# KiCad board 32-channel_current_source.kicad_pcb (continued)
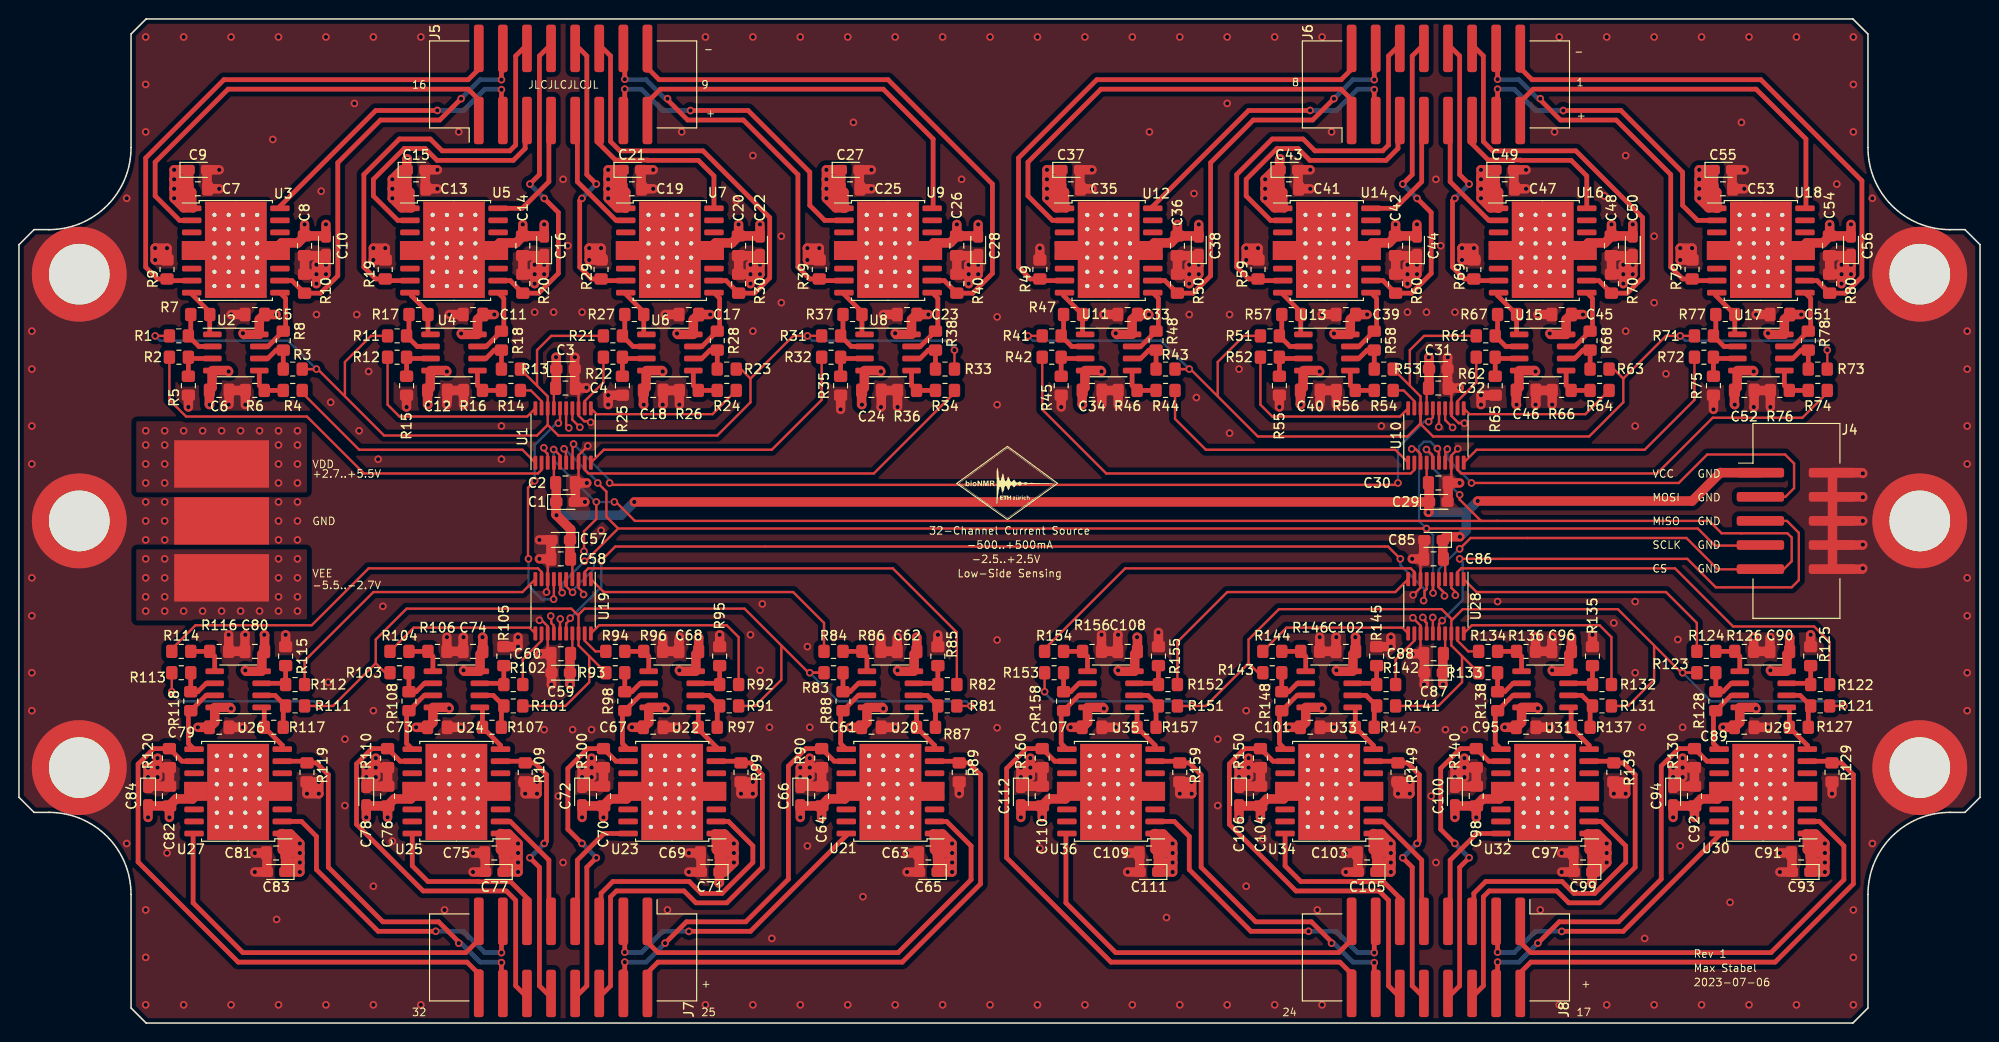
[diagram p0: board, top side]
## Routing (per net, layer and track width the routed paths; a pad name or vN(x,y) marks a point on that pad's centre or on a via; arc(x,y) is an arc through that point) (continued)
/8-channel_current_source2/VREF: length 132.8
  Front w0.25: R111.1 v1(31.61,33.42) 33.11,33.42 37.61,37.92 ; 37.61,37.92 38.61,36.92 R103.1 ; 37.61,37.92 37.61,40.42 40.86,43.67 58.23,43.67 58.98,42.92 ; 83.23,36.92 76.48,43.67 59.61,43.67 58.98,43.04 U19.18 58.98,39.79 R93.1 ; 83.23,36.92 R83.1 v1(83.36,36.92) 83.23,36.92 ; R101.1 57.61,33.42 60.11,35.92 60.11,38.67 ; v1(100.36,33.42) R81.1 ; v1(16.11,34.92) R113.1 ; R91.1 77.61,33.42 80.36,36.17 80.36,39.77
  Back w0.25: v1(31.61,33.42) 31.11,33.92 16.98,33.92 16.11,34.79 v1(16.11,34.92) ; v1(100.36,33.42) 99.86,33.92 86.36,33.92 v1(83.36,36.92)
/8-channel_current_source3/I_{OUT0+}: length 46.4
  Front w0.5: U30.2 189.78,21.24 192.36,18.67 192.36,15.11 184.67,7.42 159.36,7.42 158.11,8.67
/8-channel_current_source3/I_{OUT0-}: length 55.9
  Front w0.5: 158.11,5.17 159.36,6.42 185.11,6.42 193.36,14.67 193.36,26.17 192.11,27.42 R129.1 ; U30.7 190.93,27.59
/8-channel_current_source3/I_{OUT1+}: length 31.9
  Front w0.5: U30.16 179.21,19.77 169.11,9.67 162.63,9.67 v1(162.62,9.66) ; v1(155.86,7.47) 155.86,10.67
  Back w0.5: v1(155.86,7.47) 155.91,7.42 157.61,7.42 159.86,9.67 162.61,9.67 v1(162.62,9.66)
/8-channel_current_source3/I_{OUT1-}: length 43.7
  Front w0.5: v1(155.86,6.42) 155.86,3.17 ; v1(160.11,8.42) 162.36,10.67 168.61,10.67 173.11,15.17 173.11,27.08 174.94,28.92 R130.1 177.93,27.59 U30.10 ; 155.86,5.42 155.61,5.42
  Back w0.5: v1(160.11,8.42) 158.11,6.42 v1(155.86,6.42)
/8-channel_current_source3/I_{OUT2+}: length 27.5
  Front w0.5: 153.36,11.17 153.36,13.67 154.61,14.92 162.64,14.92 163.89,13.67 166.11,13.67 169.36,16.92 169.36,18.67 166.78,21.24 U32.2
/8-channel_current_source3/I_{OUT2-}: length 44.4
  Front w0.5: R139.1 169.11,27.42 170.36,26.17 170.36,16.42 166.61,12.67 163.36,12.67 162.11,13.92 154.97,13.92 154.36,13.3 154.36,3.92 153.11,2.67 ; U32.7 167.93,27.59
/8-channel_current_source3/I_{OUT3+}: length 12.5
  Front w0.5: 150.86,11.17 150.86,17.17 153.66,19.97 U32.16
/8-channel_current_source3/I_{OUT3-}: length 33.7
  Front w0.5: 150.86,2.92 151.86,3.92 151.86,16.42 v1(152.86,17.42) ; U32.10 154.93,27.59 R140.1 151.94,28.92 149.86,26.83 149.86,20.42 v1(151.34,18.93)
  Back w0.5: v1(152.86,17.42) v1(151.34,18.93)
/8-channel_current_source3/I_{OUT4+}: length 13
  Front w0.5: 147.86,10.92 147.86,17.17 143.78,21.24 U34.2
/8-channel_current_source3/I_{OUT4-}: length 30
  Front w0.5: v1(145.86,17.42) 146.86,16.42 146.86,3.92 147.86,2.92 ; U34.7 145.18,27.59 ; R149.1 146.36,27.42 147.61,26.17 147.61,19.17 v1(147.37,18.93)
  Back w0.5: v1(145.86,17.42) v1(147.37,18.93)
/8-channel_current_source3/I_{OUT5+}: length 19.2
  Front w0.5: U34.16 133.46,16.57 135.11,14.92 140.39,14.92 140.42,14.89 143.83,14.89 145.61,13.12 145.61,10.92
/8-channel_current_source3/I_{OUT5-}: length 44
  Front w0.5: U34.10 132.18,27.59 R150.1 129.19,28.92 127.58,27.31 127.58,20.94 134.61,13.92 143.37,13.92 144.36,12.94 144.36,3.92 145.36,2.92
/8-channel_current_source3/I_{OUT6+}: length 34.1
  Front w0.5: U36.2 121.78,21.24 123.36,19.67 123.36,16.17 129.86,9.67 v1(135.94,9.67) ; v1(142.86,7.42) 142.86,10.67
  Back w0.5: v1(135.94,9.67) 138.86,9.67 141.11,7.42 v1(142.86,7.42)
/8-channel_current_source3/I_{OUT6-}: length 40.6
  Front w0.5: 119.76,27.59 122.18,27.59 ; R159.1 123.36,27.42 124.61,26.17 124.61,16.42 130.36,10.67 136.23,10.67 138.36,8.54 v1(138.36,8.42) ; v1(142.86,6.37) 142.86,3.17
  Back w0.5: 142.86,6.42 140.61,6.42 138.61,8.42 v1(138.36,8.42)
/8-channel_current_source3/I_{OUT7+}: length 40.4
  Front w0.5: 140.61,8.92 139.11,7.42 115.61,7.42 110.36,12.67 110.36,19.87 110.46,19.97
/8-channel_current_source3/I_{OUT7-}: length 58.6
  Front w0.5: 110.46,27.59 109.18,27.59 R160.1 106.19,28.92 104.11,26.83 104.11,17.42 115.11,6.42 139.23,6.42 140.23,5.42 140.61,5.42
/8-channel_current_source3/v-i_converter1/V_{INA}: length 47.8
  Front w0.25: U28.2 151.63,47.54 152.01,47.92 174.56,47.92 180.68,41.79 189.22,41.79 190.86,40.16 R122.1
/8-channel_current_source3/v-i_converter1/V_{INB}: length 29.5
  Front w0.25: U28.1 153.64,45.42 173.61,45.42 176.86,42.17 R124.1
/8-channel_current_source3/v-i_converter2/V_{INA}: length 21.5
  Front w0.25: R132.1 167.86,40.67 166.61,41.92 153.14,41.92 U28.20
/8-channel_current_source3/v-i_converter2/V_{INB}: length 3.5
  Front w0.25: U28.19 151.63,40.3 152.76,39.17 R134.1
/8-channel_current_source3/v-i_converter3/V_{INA}: length 6.2
  Front w0.25: R142.1 145.11,38.32 147.08,40.3 U28.12
/8-channel_current_source3/v-i_converter3/V_{INB}: length 16.6
  Front w0.25: U28.11 145.82,41.67 133.61,41.67 R144.1
/8-channel_current_source3/v-i_converter4/V_{INA}: length 31.6
  Front w0.25: R152.1 122.11,40.17 127.36,45.42 145.07,45.42 U28.10
/8-channel_current_source3/v-i_converter4/V_{INB}: length 43.8
  Front w0.25: U28.9 147.08,47.54 146.7,47.92 116.61,47.92 107.86,39.17
/8-channel_current_source3/VREF: length 132.6
  Front w0.25: R141.1 149.61,33.42 152.11,35.92 152.11,38.67 ; 175.23,36.92 R123.1 v1(175.36,36.92) 175.23,36.92 ; 175.23,36.92 168.53,43.62 152.18,43.62 150.98,42.42 U28.18 150.98,39.79 R133.1 ; 151.06,42.52 149.96,43.62 132.81,43.62 129.61,40.42 129.61,37.92 ; v1(108.11,34.92) R153.1 ; R143.1 130.61,36.92 129.61,37.92 ; R151.1 v1(123.61,33.42) 125.11,33.42 129.61,37.92 ; 172.36,39.77 172.36,36.17 169.61,33.42 R131.1 ; v1(192.36,33.42) R121.1
  Back w0.25: v1(192.36,33.42) 191.86,33.92 178.36,33.92 v1(175.36,36.92) ; v1(123.61,33.42) 123.11,33.92 108.98,33.92 108.11,34.79 v1(108.11,34.92)
/8-channel_current_source/I_{OUT0+}: length 46.4
  Front w0.5: 140.61,97.17 139.36,98.42 114.04,98.42 106.36,90.73 106.36,87.17 108.93,84.59 U12.2
/8-channel_current_source/I_{OUT0-}: length 55.9
  Front w0.5: U12.7 107.78,78.24 ; R49.1 106.61,78.42 105.36,79.67 105.36,91.17 113.61,99.42 139.36,99.42 140.61,100.67
/8-channel_current_source/I_{OUT1+}: length 31.9
  Front w0.5: v1(142.86,98.37) 142.86,95.17 ; U12.16 119.51,86.07 129.61,96.17 136.08,96.17 v1(136.09,96.18)
  Back w0.5: v1(142.86,98.37) 142.81,98.42 141.11,98.42 138.86,96.17 136.11,96.17 v1(136.09,96.18)
/8-channel_current_source/I_{OUT1-}: length 43.7
  Front w0.5: 142.86,100.42 143.11,100.42 ; U12.10 120.78,78.24 R50.1 123.77,76.92 125.61,78.75 125.61,90.67 130.11,95.17 136.36,95.17 v1(138.61,97.42) ; v1(142.86,99.42) 142.86,102.67
  Back w0.5: v1(138.61,97.42) 140.61,99.42 v1(142.86,99.42)
/8-channel_current_source/I_{OUT2+}: length 27.5
  Front w0.5: 145.36,94.67 145.36,92.17 144.11,90.92 136.07,90.92 134.82,92.17 132.61,92.17 129.36,88.92 129.36,87.17 131.93,84.59 U14.2
/8-channel_current_source/I_{OUT2-}: length 44.4
  Front w0.5: 145.61,103.17 144.36,101.92 144.36,92.53 143.74,91.92 136.61,91.92 135.36,93.17 132.11,93.17 128.36,89.42 128.36,79.67 129.61,78.42 R59.1 ; U14.7 130.78,78.24
/8-channel_current_source/I_{OUT3+}: length 12.5
  Front w0.5: U14.16 145.05,85.86 147.86,88.67 147.86,94.67
/8-channel_current_source/I_{OUT3-}: length 33.7
  Front w0.5: v1(145.86,88.42) 146.86,89.42 146.86,101.92 147.86,102.92 ; U14.10 143.78,78.24 R60.1 146.77,76.92 148.86,79 148.86,85.42 v1(147.37,86.91)
  Back w0.5: v1(145.86,88.42) v1(147.37,86.91)
/8-channel_current_source/I_{OUT4+}: length 13
  Front w0.5: 150.86,94.92 150.86,88.67 154.93,84.59 U16.2
/8-channel_current_source/I_{OUT4-}: length 30
  Front w0.5: U16.7 153.53,78.24 ; v1(151.34,86.91) 151.11,86.67 151.11,79.67 152.36,78.42 R69.1 ; v1(152.86,88.42) 151.86,89.42 151.86,101.92 150.86,102.92
  Back w0.5: v1(152.86,88.42) v1(151.34,86.91)
/8-channel_current_source/I_{OUT5+}: length 19.2
  Front w0.5: U16.16 165.26,89.27 163.61,90.92 158.32,90.92 158.29,90.94 154.88,90.94 153.11,92.72 153.11,94.92
/8-channel_current_source/I_{OUT5-}: length 44
  Front w0.5: 153.36,102.92 154.36,101.92 154.36,92.9 155.34,91.92 164.11,91.92 171.13,84.89 171.13,78.53 169.52,76.92 R70.1 166.53,78.24 U16.10
/8-channel_current_source/I_{OUT6+}: length 34.1
  Front w0.5: U18.2 176.93,84.59 175.36,86.17 175.36,89.67 168.86,96.17 v1(162.78,96.17) ; v1(155.86,98.42) 155.86,95.17
  Back w0.5: v1(162.78,96.17) 159.86,96.17 157.61,98.42 v1(155.86,98.42)
/8-channel_current_source/I_{OUT6-}: length 40.6
  Front w0.5: U18.7 176.53,78.24 ; R79.1 175.36,78.42 174.11,79.67 174.11,89.42 168.36,95.17 162.48,95.17 160.36,97.29 v1(160.36,97.42) ; v1(155.86,99.47) 155.86,102.67
  Back w0.5: v1(160.36,97.42) 160.11,97.42 158.11,99.42 155.86,99.42
/8-channel_current_source/I_{OUT7+}: length 40.4
  Front w0.5: U18.16 188.36,85.96 188.36,93.17 183.11,98.42 159.61,98.42 158.11,96.92
/8-channel_current_source/I_{OUT7-}: length 58.4
  Front w0.5: 158.11,100.42 158.48,100.42 159.48,99.42 183.61,99.42 194.26,88.77 194.26,78.65 192.52,76.92 R80.1 189.53,78.24 U18.10
/8-channel_current_source/SDO: length 100.6
  Front w0.25: v1(145.36,56.92) 145.16,56.72 62.46,56.72 v1(62.26,56.92) ; v1(148.59,63.38) 149.03,63.82 U10.16 ; 58.36,59.02 58.36,60.92 v1(58.46,61.02)
  Back w0.25: v1(148.59,63.38) 148.12,63.38 145.36,60.62 v1(145.36,56.92) ; v1(58.46,61.02) 62.26,57.22 v1(62.26,56.92)
/8-channel_current_source/v-i_converter1/V_{INA}: length 48.4
  Front w0.25: R42.1 107.86,64.67 114.61,57.92 146.7,57.92 147.08,58.3 U10.2
/8-channel_current_source/v-i_converter1/V_{INB}: length 29.5
  Front w0.25: U10.1 145.07,60.42 125.11,60.42 121.86,63.67 R44.1
/8-channel_current_source/v-i_converter2/V_{INA}: length 21.5
  Front w0.25: R52.1 130.86,65.17 132.11,63.92 145.57,63.92 U10.20
/8-channel_current_source/v-i_converter2/V_{INB}: length 3.5
  Front w0.25: R54.1 145.95,66.67 147.08,65.54 U10.19
/8-channel_current_source/v-i_converter3/V_{INA}: length 6.2
  Front w0.25: R62.1 153.61,67.51 151.63,65.54 U10.12
/8-channel_current_source/v-i_converter3/V_{INB}: length 16.6
  Front w0.25: R64.1 165.11,64.17 152.89,64.17 U10.11
/8-channel_current_source/v-i_converter4/V_{INA}: length 31.6
  Front w0.25: U10.10 153.64,60.42 171.36,60.42 176.61,65.67 R72.1
/8-channel_current_source/v-i_converter4/V_{INB}: length 43.8
  Front w0.25: 190.86,66.67 187.98,63.79 178.53,63.79 172.66,57.92 152.01,57.92 151.63,58.3 U10.9
/8-channel_current_source/VREF: length 134.6
  Front w0.25: R71.1 v1(175.11,72.42) 173.61,72.42 169.11,67.92 ; 147.73,64.02 147.73,63.19 146.36,61.82 130.58,61.82 123.48,68.92 R43.1 v1(123.36,68.92) ; 147.73,64.02 147.73,63.14 149.06,61.82 165.51,61.82 169.11,65.42 169.11,67.92 ; 147.73,64.02 U10.18 147.73,66.04 R53.1 ; 169.11,67.92 168.11,68.92 R63.1 ; R51.1 129.11,72.42 126.36,69.67 126.36,66.07 ; v1(106.36,72.42) R41.1 ; 146.61,67.17 146.61,70.92 148.11,72.42 R61.1 ; v1(190.61,70.92) R73.1
  Back w0.25: v1(190.61,70.92) 190.61,71.04 189.73,71.92 175.61,71.92 v1(175.11,72.42) ; v1(123.36,68.92) 120.36,71.92 106.86,71.92 v1(106.36,72.42)
/CS: length 211.1
  Front w0.25: v1(60.86,54.92) 60.86,53.12 59.56,51.82 59.56,51.02 ; 57.11,58.92 57.11,59.74 56.4,60.44 v1(56.36,60.44) ; 59.56,51.02 v1(59.56,49.72) ; J4.9 186.03,47.84 186.86,48.67 186.86,51.17 186.41,51.62 181.46,51.62 ; 159.01,51.12 175.76,51.12 179.06,47.82 183.56,47.82 ; 149.61,46.92 149.61,45.96 150.35,45.22 ; v1(151.86,49.97) 153.01,51.12 159.06,51.12 ; 155.86,52.92 154.11,52.92 151.86,55.17 v1(151.86,55.67) ; v1(58.36,45.39) 58.31,45.39 57.61,46.1 57.61,46.92 ; 154.26,52.92 64.92,52.92 62.92,54.92 v1(62.76,54.92) ; 181.66,51.62 179.46,51.62 178.16,52.92 155.76,52.92 ; 149.66,46.05 149.66,46.92 ; 148.96,59.07 148.96,59.89 148.4,60.44 v1(148.36,60.44)
  Back w0.25: v1(62.76,54.92) v1(60.86,54.92) ; v1(151.86,55.67) 149.06,58.47 149.06,59.62 148.44,60.23 148.44,60.51 ; v1(56.36,60.44) 56.36,59.32 60.6,55.08 60.96,55.08 ; v1(59.56,49.72) 59.65,49.72 60.61,48.76 60.61,47.85 58.15,45.4 ; v1(151.86,49.97) 151.81,49.97 149.66,47.81 149.66,45.91 150.26,45.31 v1(150.26,45.02)
/MISO: length 55.7
  Front w0.25: 183.76,52.92 186.36,52.92 187.61,51.67 187.61,46.67 186.86,45.92 178.86,45.92 175.86,48.92 v1(151.86,48.92) ; v1(150.02,42.41) 149.68,42.07 U28.16
  Back w0.25: v1(151.86,48.92) 152.18,48.59 152.18,44.59 150.02,42.43 v1(150.02,42.41)
/MOSI: length 48.5
  Front w0.25: v1(150.56,60.49) 150.36,60.29 150.36,58.92 ; 153.06,56.92 174.96,56.92 177.96,59.92 186.16,59.92 187.11,58.97 187.11,56.37 186.2,55.46 J4.3
  Back w0.25: v1(150.56,60.49) 150.56,59.47 v1(153.11,56.92)
/SCLK: length 169.9
  Front w0.25: 57.06,45.42 57.06,46.82 ; 183.56,50.32 178.76,50.32 176.96,52.12 v1(148.36,52.12) 63.16,52.12 ; 63.16,52.12 61.92,53.36 61.92,56.01 v1(61.01,56.92) ; 63.16,52.12 59.71,48.67 v1(59.61,48.67) ; v1(57.46,60.52) 57.66,60.32 57.66,59.02 ; v1(149.51,60.54) 149.63,60.42 149.66,60.42 149.66,59.02 ; 57.11,46.92 57.11,45.5 v1(57.26,45.35) ; 149.03,45.58 U28.6 ; 149.68,60.39 U10.6 ; v1(149.06,45.32) 149.06,46.82
  Back w0.25: v1(149.06,45.32) 149.06,51.42 v1(148.36,52.12) 147.58,52.89 147.58,60.76 148.08,61.26 148.79,61.26 v1(149.51,60.54) ; v1(59.61,48.67) 57.26,46.32 v1(57.26,45.35) ; v1(57.46,60.52) 57.51,60.52 61.01,57.02 v1(61.01,56.92)
Net-(U2A-+): length 4.4
  Front w0.5: U2.3 17.99,70.03 ; R2.2 R5.1
Net-(U2A--): length 5.2
  Front w0.5: R7.1 18.11,72.42 ; U2.2 18.97,71.3 R1.2
Net-(U2B-+): length 4.3
  Front w0.5: R4.2 R6.1 25.33,67.19 U2.5
Net-(U2B--): length 4.9
  Front w0.5: U2.6 26.22,70.03 27.11,70.92 R8.1 R3.2
Net-(U3A-+): length 7.5
  Front w0.5: 28.11,72.92 28.11,76.37 U3.9 ; U2.7 26.24,71.3 R8.2
Net-(U3B-+): length 5.2
  Front w0.5: 18.11,76.92 20.11,74.92 R7.2 20.11,72.57
Net-(U4A-+): length 4.4
  Front w0.5: U4.3 40.99,70.03 ; R12.2 R15.1
Net-(U4A--): length 5.2
  Front w0.5: U4.2 41.97,71.3 R11.2 ; R17.1 41.11,72.42
Net-(U4B-+): length 4.3
  Front w0.5: R14.2 R16.1 48.33,67.19 U4.5
Net-(U4B--): length 4.9
  Front w0.5: R13.2 R18.1 50.11,70.92 49.22,70.03 U4.6
Net-(U5A-+): length 7.5
  Front w0.5: U4.7 49.24,71.3 R18.2 ; 51.11,72.92 51.11,76.37 U5.9
Net-(U5B-+): length 5.1
  Front w0.5: 43.11,72.57 R17.2 43.11,74.92 41.36,76.67 41.36,76.92
Net-(U6A-+): length 4.4
  Front w0.5: R22.2 R25.1 ; U6.3 63.74,70.03
Net-(U6A--): length 5.2
  Front w0.5: R27.1 63.86,72.42 ; R21.2 64.72,71.3 U6.2
Net-(U6B-+): length 4.3
  Front w0.5: R24.2 R26.1 71.08,67.19 U6.5
Net-(U6B--): length 4.9
  Front w0.5: R23.2 R28.1 72.86,70.92 71.97,70.03 U6.6
Net-(U7A-+): length 7.5
  Front w0.5: R28.2 71.99,71.3 U6.7 ; 73.86,72.92 73.86,76.37 U7.9
Net-(U7B-+): length 5.2
  Front w0.5: 63.86,76.92 65.86,74.92 R27.2 65.86,72.57
Net-(U8A-+): length 4.4
  Front w0.5: U8.3 86.74,70.03 ; R32.2 R35.1
Net-(U8A--): length 5.2
  Front w0.5: R37.1 86.86,72.42 ; R31.2 87.72,71.3 U8.2
Net-(U8B-+): length 4.3
  Front w0.5: U8.5 94.08,67.19 R36.1 R34.2
Net-(U8B--): length 4.9
  Front w0.5: U8.6 94.97,70.03 95.86,70.92 R38.1 R33.2
Net-(U9A-+): length 7.5
  Front w0.5: 96.86,72.92 96.86,76.37 U9.9 ; R38.2 94.99,71.3 U8.7
Net-(U9B-+): length 5.2
  Front w0.5: 88.86,72.57 R37.2 88.86,74.92 86.86,76.92
Net-(U11A-+): length 4.4
  Front w0.5: U11.3 109.99,70.03 ; R42.2 R45.1
Net-(U11A--): length 5.2
  Front w0.5: R41.2 110.97,71.3 U11.2 ; R47.1 110.11,72.42
Net-(U11B-+): length 4.3
  Front w0.5: R44.2 R46.1 117.33,67.19 U11.5
Net-(U11B--): length 4.9
  Front w0.5: R43.2 R48.1 119.11,70.92 118.22,70.03 U11.6
Net-(U12A-+): length 7.5
  Front w0.5: R48.2 118.24,71.3 U11.7 ; U12.9 120.11,76.37 120.11,72.92
Net-(U12B-+): length 5.2
  Front w0.5: 110.11,76.92 110.11,76.67 R47.2 112.11,72.57
Net-(U13A-+): length 4.4
  Front w0.5: U13.3 132.99,70.03 ; R52.2 R55.1
Net-(U13A--): length 5.2
  Front w0.5: R57.1 133.11,72.42 ; R51.2 133.97,71.3 U13.2
Net-(U13B-+): length 4.3
  Front w0.5: U13.5 140.33,67.19 R56.1 R54.2
Net-(U13B--): length 4.9
  Front w0.5: U13.6 141.22,70.03 142.11,70.92 R58.1 R53.2
Net-(U14A-+): length 7.5
  Front w0.5: U13.7 141.24,71.3 R58.2 ; U14.9 143.11,76.37 143.11,72.92
Net-(U14B-+): length 5.2
  Front w0.5: 133.11,76.92 135.11,74.92 R57.2 135.11,72.57
Net-(U15A-+): length 4.4
  Front w0.5: U15.3 155.74,70.03 ; R62.2 R65.1
Net-(U15A--): length 5.2
  Front w0.5: R61.2 156.72,71.3 U15.2 ; R67.1 155.86,72.42
Net-(U15B-+): length 4.3
  Front w0.5: U15.5 163.08,67.19 R66.1 R64.2
Net-(U15B--): length 4.9
  Front w0.5: U15.6 163.97,70.03 164.86,70.92 R68.1 R63.2
Net-(U16A-+): length 7.5
  Front w0.5: U16.9 165.86,76.37 165.86,72.92 ; R68.2 163.99,71.3 U15.7
Net-(U16B-+): length 5.2
  Front w0.5: 155.86,76.92 155.86,76.67 R67.2 157.86,72.57
Net-(U17A-+): length 4.4
  Front w0.5: R72.2 R75.1 ; U17.3 178.74,70.03
Net-(U17A--): length 5.2
  Front w0.5: R71.2 179.72,71.3 U17.2 ; R77.1 178.86,72.42
Net-(U17B-+): length 4.3
  Front w0.5: R74.2 R76.1 186.08,67.19 U17.5
Net-(U17B--): length 4.9
  Front w0.5: U17.6 186.97,70.03 187.86,70.92 R78.1 R73.2
Net-(U18A-+): length 7.5
  Front w0.5: U18.9 188.86,76.37 188.86,72.92 ; U17.7 186.99,71.3 R78.2
Net-(U18B-+): length 5.2
  Front w0.5: 180.86,72.57 R77.2 178.86,76.67 178.86,76.92
Net-(U20A-+): length 4.4
  Front w0.5: R82.2 R85.1 ; U20.3 96.72,35.8
Net-(U20A--): length 5.2
  Front w0.5: U20.2 95.74,34.53 R81.2 ; R87.1 96.61,33.42
Net-(U20B-+): length 4.3
  Front w0.5: U20.5 89.38,38.64 R86.1 R84.2
Net-(U20B--): length 4.9
  Front w0.5: R83.2 R88.1 87.61,34.92 88.49,35.8 U20.6
Net-(U21A-+): length 7.5
  Front w0.5: U21.9 86.61,29.46 86.61,32.92 ; R88.2 88.47,34.53 U20.7
Net-(U21B-+): length 5.2
  Front w0.5: U21.8 96.51,29.27 R87.2 94.61,33.26
Net-(U22A-+): length 4.4
  Front w0.5: 71.33,35.8 73.72,35.8 ; R92.2 R95.1
Net-(U22A--): length 5.2
  Front w0.5: R97.1 73.61,33.42 ; R91.2 72.74,34.53 71.33,34.53
Net-(U22B-+): length 4.3
  Front w0.5: R94.2 R96.1 66.38,38.64 U22.5
Net-(U22B--): length 4.9
  Front w0.5: U22.6 65.49,35.8 64.61,34.92 R98.1 R93.2
Net-(U23A-+): length 7.5
  Front w0.5: R98.2 65.47,34.53 U22.7 ; 63.61,32.92 63.61,29.46 U23.9
Net-(U23B-+): length 5.2
  Front w0.5: 71.61,33.26 71.61,30.99 73.51,29.09 U23.8
Net-(U24A-+): length 4.4
  Front w0.5: U24.3 50.97,35.8 ; R102.2 R105.1
Net-(U24A--): length 5.2
  Front w0.5: R101.2 49.99,34.53 U24.2 ; R107.1 50.86,33.42
Net-(U24B-+): length 4.3
  Front w0.5: U24.5 43.63,38.64 R106.1 R104.2
Net-(U24B--): length 4.9
  Front w0.5: U24.6 42.74,35.8 41.86,34.92 R108.1 R103.2
Net-(U25A-+): length 7.5
  Front w0.5: R108.2 42.72,34.53 U24.7 ; 40.86,32.92 40.86,29.46 U25.9
Net-(U25B-+): length 5.2
  Front w0.5: U25.8 50.76,29.27 R107.2 48.86,33.26
Net-(U26A-+): length 4.4
  Front w0.5: R112.2 R115.1 ; U26.3 27.97,35.8
Net-(U26A--): length 5.2
  Front w0.5: R111.2 26.99,34.53 25.58,34.53 ; R117.1 27.86,33.42
Net-(U26B-+): length 4.3
  Front w0.5: 20.63,37.07 20.63,38.64 R116.1 R114.2
Net-(U26B--): length 4.9
  Front w0.5: R113.2 R118.1 18.86,34.92 19.74,35.8 U26.6
Net-(U27A-+): length 7.5
  Front w0.5: 17.86,32.92 17.86,29.46 U27.9 ; 20.63,34.53 19.72,34.53 R118.2
Net-(U27B-+): length 5.2
  Front w0.5: 25.86,33.26 R117.2 27.76,29.27 U27.8
Net-(U29A-+): length 4.4
  Front w0.5: R122.2 R125.1 ; U29.3 188.72,35.8
Net-(U29A--): length 5.2
  Front w0.5: R121.2 187.74,34.53 U29.2 ; R127.1 188.61,33.42
Net-(U29B-+): length 4.3
  Front w0.5: R124.2 R126.1 181.38,38.64 U29.5
Net-(U29B--): length 4.9
  Front w0.5: U29.6 180.49,35.8 179.61,34.92 R128.1 R123.2
Net-(U30A-+): length 7.5
  Front w0.5: 178.61,32.92 178.61,29.46 U30.9 ; R128.2 180.47,34.53 U29.7
Net-(U30B-+): length 5.2
  Front w0.5: U30.8 188.51,29.27 R127.2 186.61,33.26
Net-(U31A-+): length 4.4
  Front w0.5: 163.33,35.8 165.72,35.8 ; R132.2 R135.1
Net-(U31A--): length 5.2
  Front w0.5: R131.2 164.74,34.53 163.33,34.53 ; R137.1 165.61,33.42
Net-(U31B-+): length 4.3
  Front w0.5: U31.5 158.38,38.64 R136.1 R134.2
Net-(U31B--): length 4.9
  Front w0.5: U31.6 157.49,35.8 156.61,34.92 R138.1 R133.2
Net-(U32A-+): length 7.5
  Front w0.5: 155.61,32.92 155.61,29.46 U32.9 ; U31.7 157.47,34.53 R138.2
Net-(U32B-+): length 5.2
  Front w0.5: 163.61,33.26 R137.2 165.51,29.27 U32.8
Net-(U33A-+): length 4.4
  Front w0.5: R142.2 R145.1 ; U33.3 142.97,35.8
Net-(U33A--): length 5.2
  Front w0.5: R141.2 141.99,34.53 U33.2 ; R147.1 142.86,33.42
Net-(U33B-+): length 4.3
  Front w0.5: U33.5 135.63,38.64 R146.1 R144.2
Net-(U33B--): length 4.9
  Front w0.5: U33.6 134.74,35.8 133.86,34.92 R148.1 R143.2
Net-(U34A-+): length 7.5
  Front w0.5: U33.7 134.72,34.53 R148.2 ; U34.9 132.86,29.46 132.86,32.92
Net-(U34B-+): length 5.2
  Front w0.5: 140.86,33.26 R147.2 142.76,29.27 U34.8
Net-(U35A-+): length 4.4
  Front w0.5: R152.2 R155.1 ; U35.3 119.97,35.8
Net-(U35A--): length 5.2
  Front w0.5: R151.2 118.99,34.53 117.58,34.53 ; R157.1 119.86,33.42
Net-(U35B-+): length 4.3
  Front w0.5: R154.2 R156.1 112.63,38.64 112.63,37.07
Net-(U35B--): length 4.9
  Front w0.5: U35.6 111.74,35.8 110.86,34.92 R158.1 R153.2
Net-(U36A-+): length 7.5
  Front w0.5: U36.9 109.86,29.46 109.86,32.92 ; 112.63,34.53 111.72,34.53 R158.2
Net-(U36B-+): length 5.2
  Front w0.5: U36.8 119.76,29.27 R157.2 117.86,33.26

## Copper pours and planes (outline as drawn; the poured copper is in the pictures)
GND on Front, Back: -0.64,105.92 207.36,105.92 207.36,-0.08 -0.64,-0.08
VDD on Front: 30.36,63.42 12.36,63.42 12.36,55.92 30.36,55.92
VDD on In1.Cu: -0.64,105.92 207.36,105.92 207.36,-0.08 -0.64,-0.08
VEE on Front: 12.36,49.92 30.36,49.92 30.36,42.42 12.36,42.42
VEE on In2.Cu: -0.64,105.92 207.36,105.92 207.36,-0.08 -0.64,-0.08

## Text on the board
F.Silkscreen: VDD | +2.7..+5.5V | GND | VEE | -5.5..-2.7V | 16 | 32 | JLCJLCJLCJL | 9 | + | 25 | - | 32-Channel Current Source | Low-Side Sensing | -500..+500mA | -2.5..+2.5V | 24 | 8 | 1 | 17 | VCC | MOSI | MISO | SCLK | CS | Rev 1 | Max Stabel | 2023-07-06
